# Altium PCB 11BRANMB10H2_20170927.pcbdoc (part 3 of 11)
Units mm, origin at the board's own origin, x right, y up, seen from the top; angles counter-clockwise.
Board outline 91.65 x 48.25 mm, 6 copper layers (TOP, GND1, Singal, POWER, GND2, BOTTOM), stack 0.8 mm thick; 370 components, 289 nets, 1421 pads, 980 vias.
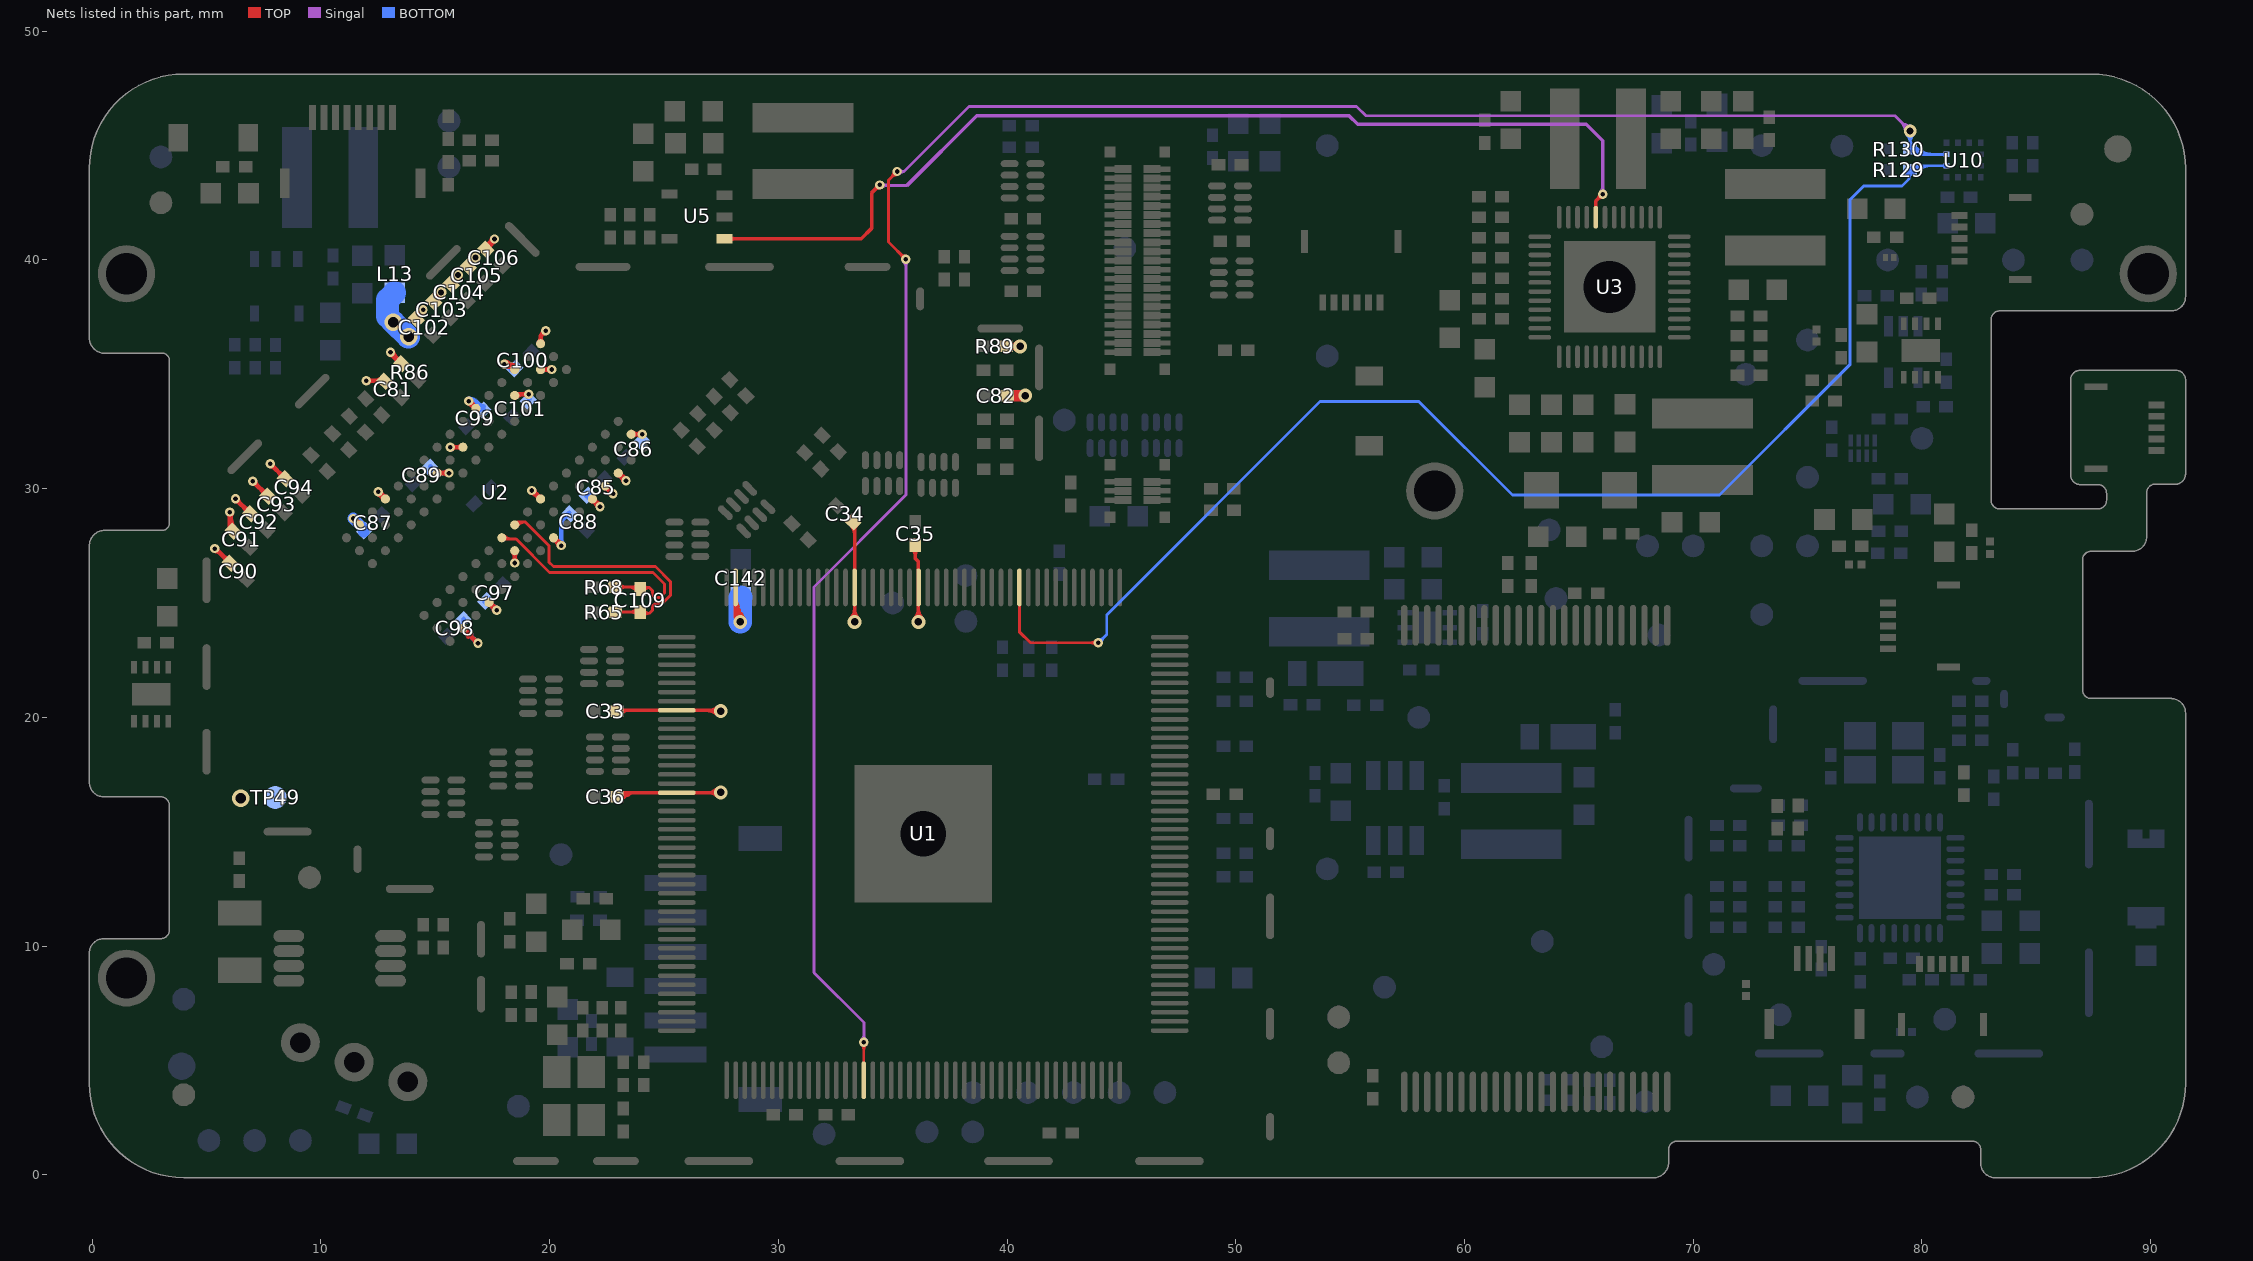
[diagram p7: the nets of this part, all layers, seen from the top]

## Via types
v1: diameter 0.406, hole 0.203, TOP to BOTTOM, tented both sides, 450 vias
v2: diameter 0.457, hole 0.254, TOP to BOTTOM, tented both sides, 256 vias
v3: diameter 0.559, hole 0.305, TOP to BOTTOM, tented both sides, 184 vias
v4: diameter 0.762, hole 0.457, TOP to BOTTOM, tented both sides, 69 vias
v5: diameter 0.61, hole 0.33, TOP to BOTTOM, tented both sides, 11 vias
v6: diameter 0.5, hole 0.2, TOP to BOTTOM, 9 vias
v7: diameter 0.508, hole 0.254, TOP to BOTTOM, tented both sides, 1 vias

## Nets (pads, with @x,y where several pads share a name; then routed paths per layer and width w, separated by ;. In a path a pad name is that pad's centre, name@x,y a point inside that pad or via, vN(x,y) a via of type N, cw(c..) or ccw(c..) an arc to the next point about the centre after c; other vN are vias at no path point) (continued)
DRAM-VCC: C33.2 C34.2 C35.2 C36.2 C81.2 C82.1 C85.1 C86.1 C87.1 C88.1 C89.1 C90.1 C91.1 C92.1 C93.1 C94.1 C97.1 C98.1 C99.1 C100.1 C101.1 C102.1 C103.1 C104.1 C105.1 C106.1 C142.2 L13.1 R86.2 R89.2 TP49.1 U1.23 U1.30 U1.43 U1.53 U1.62 U2.A1 U2.A8 U2.B2 U2.C1 U2.C9 U2.D2 U2.D9 U2.E9 U2.F1 U2.G7 U2.H2 U2.H9 U2.K2 U2.K8 U2.N1 U2.N9 U2.R1 U2.R9 | length 210.7
  TOP w0.152: v2@15.974,39.327 v2(15.99,39.343) ; C36.2@22.983,16.535 22.983,16.569 23.122,16.708 U1.62@25.56,16.708 v5@27.468,16.708 ; C33.2@22.983,20.274 23.017,20.308 U1.53@25.56,20.308 27.45,20.308 v5(27.481,20.277) ; C36.2@22.987,16.551 ccw(c23.156,16.739) 23.282,16.52 ; C36.2@23.064,16.683 ccw(c23.167,16.849) 23.264,16.68 ccw(c23.388,16.465) C36.2@23.144,16.507 ; C36.2@23.089,16.665 ccw(c23.303,16.903) 23.464,16.625 ; C34.2@33.172,28.391 cw(c32.785,28.005) 33.332,28.005 ; C34.2@33.302,28.507 33.332,28.477 33.332,25.683 33.332,25.68 U1.30@33.335,25.683 v5@33.335,24.179 ; v5(33.332,24.176) v5@33.332,24.179 ; 33.332,28.185 cw(c33.624,28.185) C34.2@33.418,28.391 ; v5@35.965,24.338 ccw(c35.575,24.728) 36.126,24.728 ccw(c36.678,24.728) v5@36.288,24.338 ; C35.2@35.98,27.48 35.98,26.945 36.126,26.798 36.126,25.683 v5@36.126,24.303 ; 35.98,27.07 ccw(c35.56,27.07) 35.857,27.367 cw(c35.56,27.07) 35.98,27.07 ; 35.98,27.07 cw(c36.399,27.07) 36.102,27.367 ccw(c36.399,27.07) 35.98,27.07 ; C36.2@22.988,16.52 cw(c23.441,16.067) 23.441,16.708 ccw(c23.441,16.067) C36.2@22.988,16.52 ; C36.2@23.095,16.413 cw(c23.808,15.699) 23.808,16.708 ccw(c23.808,15.699) C36.2@23.095,16.413 ; C33.2@23.096,20.151 cw(c23.475,19.771) 23.475,20.308 ccw(c23.475,19.771) C33.2@23.096,20.151 ; C33.2@23.096,20.396 ccw(c23.31,20.61) 23.31,20.308 cw(c23.31,20.61) C33.2@23.096,20.396 ; 26.855,20.308 cw(c26.855,19.651) 27.319,20.115 ccw(c26.855,19.651) 26.855,20.308 ; 26.898,16.708 ccw(c26.898,17.304) 27.319,16.883 cw(c26.898,17.304) 26.898,16.708 ; 26.961,16.708 cw(c26.961,16.201) 27.319,16.559 ccw(c26.961,16.201) 26.961,16.708 ; 27.004,20.308 ccw(c27.004,20.754) 27.319,20.439 cw(c27.004,20.754) 27.004,20.308 ; v5@33.171,24.338 ccw(c32.774,24.735) 33.335,24.735 cw(c32.774,24.735) v5@33.171,24.338 ; 33.335,24.722 ccw(c33.878,24.722) 33.494,24.338 cw(c33.878,24.722) 33.335,24.722
  TOP w0.203: v1@5.359,27.28 cw(c5.359,26.946) 5.595,27.182 ; v1(5.359,27.381) 5.396,27.381 C90.1@5.993,26.785 ; C90.1@5.851,26.778 ccw(c5.493,26.778) 5.746,27.031 ccw(c6,27.284) C90.1@6,26.926 ; C91.1@6.036,28.292 ccw(c5.922,28.441) 6.084,28.535 ; C91.1@6.058,28.243 C91.1@6.12,28.182 ; v1@6.058,28.937 v1(6.018,28.977) 6.018,28.283 C91.1@6.162,28.139 ; v1(6.262,29.564) C92.1@6.882,28.944 ; v1(7.024,30.326) C93.1@7.644,29.706 ; v1(7.786,31.088) C94.1@8.406,30.468 ; v1(11.412,28.698) 11.685,28.425 U2.R1@11.685,28.419 ; v1@11.423,28.597 cw(c11.444,28.402) U2.R1@11.613,28.5 ; v1@11.436,28.599 cw(c11.481,28.415) U2.R1@11.615,28.549 ; v1@11.455,28.599 cw(c11.32,28.365) U2.R1@11.588,28.405 ; v1@11.49,28.564 ccw(c11.621,28.695) U2.R1@11.663,28.515 ; v1@11.51,28.67 ccw(c11.677,28.623) U2.R1@11.554,28.5 ; v1@11.512,28.651 ccw(c11.754,28.791) U2.R1@11.703,28.516 ; v1@11.513,28.687 ccw(c11.71,28.666) U2.R1@11.611,28.494 ; v1@11.547,28.614 cw(c11.425,28.493) U2.R1@11.591,28.446 ; v1(11.976,34.715) 12.729,34.715 C81.2@12.749,34.735 ; v1@12.504,29.76 cw(c12.498,29.486) U2.N1@12.735,29.623 ; v1(12.506,29.861) U2.N1@12.816,29.551 ; v1@12.518,29.76 cw(c12.543,29.558) U2.N1@12.725,29.651 ; v1@12.519,29.761 cw(c12.554,29.502) U2.N1@12.738,29.687 ; v1@12.544,29.766 cw(c12.358,29.443) U2.N1@12.721,29.528 ; v1@12.59,29.721 ccw(c12.771,29.902) U2.N1@12.804,29.648 ; v1@12.601,29.823 ccw(c12.924,30.009) U2.N1@12.839,29.646 ; v1@12.607,29.848 ccw(c12.865,29.814) U2.N1@12.681,29.63 ; v1@12.607,29.849 ccw(c12.81,29.824) U2.N1@12.716,29.642 ; v1@12.607,29.863 ccw(c12.881,29.869) U2.N1@12.744,29.632 ; v1@12.646,29.777 cw(c12.465,29.596) U2.N1@12.719,29.563 ; v1(13.04,35.967) 13.486,35.522 R86.2@13.486,35.497 ; v1@13.138,35.994 ccw(c13.714,36.148) R86.2@13.416,35.632 ; v1@13.14,35.947 ccw(c13.335,35.908) 13.235,35.736 ; v1@13.142,35.962 ccw(c13.407,35.949) 13.274,35.719 ; 13.184,35.766 ccw(c13.493,36.075) R86.2@13.493,35.638 ; 13.262,35.688 cw(c13.064,35.49) R86.2@13.344,35.49 ; C102.1@14.121,37.473 v1(14.466,37.819) ; C102.1@14.163,37.559 ccw(c14.163,37.853) v1@14.371,37.645 ; C102.1@14.188,37.539 ccw(c14.01,37.846) v1@14.364,37.825 ; C102.1@14.232,37.606 cw(c14.427,37.494) v1@14.454,37.718 ; C102.1@14.239,37.592 cw(c14.456,37.467) v1@14.463,37.717 ; C102.1@14.268,37.494 cw(c14.494,37.572) v1@14.325,37.741 ; C102.1@14.299,37.609 ccw(c14.223,37.742) v1@14.369,37.788 ; C102.1@14.311,37.418 cw(c14.666,37.437) v1@14.415,37.688 ; C102.1@14.336,37.552 ccw(c14.062,37.71) v1@14.368,37.792 ; C103.1@14.871,38.355 ccw(c14.828,38.7) v2@15.128,38.524 ; C103.1@14.883,38.215 v2(15.253,38.581) ; C103.1@14.928,38.321 ccw(c14.935,38.653) 15.169,38.416 ccw(c15.396,38.187) C103.1@15.073,38.177 ; C103.1@14.967,38.302 ccw(c14.812,38.575) v2@15.126,38.579 ; C103.1@14.999,38.339 cw(c15.205,38.218) v2@15.236,38.455 ; C103.1@15,38.398 cw(c15.163,38.233) v2@15.221,38.458 ; C103.1@15.004,38.343 cw(c15.189,38.255) v2@15.229,38.456 ; C103.1@15.026,38.336 ccw(c14.944,38.508) v2@15.129,38.552 ; C103.1@15.03,38.255 cw(c15.242,38.327) v2@15.085,38.486 ; C103.1@15.033,38.245 cw(c15.229,38.296) 15.054,38.398 ; C103.1@15.073,38.182 cw(c15.387,38.203) v2@15.231,38.477 ; U2.K2@15.079,30.682 v1(15.597,30.682) ; C103.1@15.094,38.289 ccw(c14.799,38.462) v2@15.13,38.549 ; 15.115,38.362 ccw(c15.019,38.459) v2@15.14,38.522 ; 15.12,38.333 cw(c15.354,38.196) v2@15.285,38.458 ; U2.K2@15.144,30.608 cw(c15.321,30.406) v1@15.429,30.652 ; U2.K2@15.144,30.756 ccw(c15.321,30.958) v1@15.429,30.712 ; v1(15.649,31.809) U2.H2@16.21,31.814 ; U2.R9@16.21,23.894 v1(16.864,23.241) ; U2.R9@16.215,23.796 cw(c16.232,23.472) 16.461,23.701 ; U2.R9@16.241,23.805 cw(c16.02,23.422) 16.449,23.532 ; U2.R9@16.299,23.863 ccw(c16.683,24.085) 16.572,23.656 ; U2.R9@16.309,23.889 ccw(c16.632,23.872) 16.403,23.643 ; 16.348,23.744 cw(c16.249,23.574) 16.446,23.563 ; 16.361,23.757 ccw(c16.531,23.855) 16.541,23.659 ; C105.1@16.39,39.878 ccw(c16.336,40.204) v2@16.622,40.039 ; C105.1@16.407,39.739 16.407,39.759 v2(16.752,40.105) ; 16.445,23.558 ccw(c16.2,23.558) 16.374,23.731 ccw(c16.547,23.904) 16.547,23.659 ; C105.1@16.449,39.845 ccw(c16.449,40.161) v2@16.673,39.937 ; v1@16.452,33.728 cw(c16.437,33.433) U2.F1@16.694,33.581 ; v1(16.457,33.83) U2.F1@16.776,33.511 ; v1@16.468,33.729 cw(c16.491,33.513) U2.F1@16.683,33.615 ; C105.1@16.478,39.825 ccw(c16.331,40.08) v2@16.625,40.097 ; C105.1@16.501,39.918 cw(c16.669,39.75) v2@16.723,39.981 ; C105.1@16.51,39.872 cw(c16.7,39.762) v2@16.733,39.979 ; v1@16.542,33.688 ccw(c16.738,33.884) U2.F1@16.766,33.608 ; C105.1@16.548,39.795 cw(c16.711,39.872) v2@16.583,39.999 ; C105.1@16.557,39.77 cw(c16.814,39.839) v2@16.584,39.972 ; v1@16.558,33.819 ccw(c16.774,33.796) U2.F1@16.672,33.604 ; v1@16.559,33.835 ccw(c16.854,33.85) U2.F1@16.706,33.593 ; C105.1@16.562,39.732 cw(c16.857,39.733) v2@16.71,39.989 ; C105.1@16.597,39.711 cw(c16.886,39.739) v2@16.68,39.945 ; v1@16.599,33.745 cw(c16.403,33.549) U2.F1@16.678,33.521 ; C105.1@16.602,39.881 ccw(c16.49,39.992) v2@16.635,40.055 ; C105.1@16.61,39.824 ccw(c16.363,39.966) v2@16.632,40.062 ; 16.636,39.868 cw(c16.848,39.746) v2@16.785,39.982 ; 16.69,23.415 ccw(c16.864,23.59) v1@16.864,23.343 ; 16.691,23.413 cw(c16.519,23.241) v1@16.763,23.241 ; C106.1@17.169,40.501 v1(17.59,40.917) ; C106.1@17.212,40.607 ccw(c17.213,40.913) 17.429,40.695 ; C106.1@17.314,40.607 cw(c17.696,40.384) v1@17.61,40.818 ; C106.1@17.324,40.505 cw(c17.734,40.538) v1@17.444,40.831 ; 17.34,40.685 cw(c17.57,40.551) v1@17.584,40.816 ; U2.N9@17.342,25.025 v1(17.683,24.684) ; U2.N9@17.345,24.927 cw(c17.358,24.589) v1@17.597,24.828 ; C106.1@17.359,40.457 cw(c17.769,40.455) v1@17.481,40.746 ; 17.371,40.68 ccw(c17.255,40.884) v1@17.489,40.907 ; U2.N9@17.405,24.939 cw(c17.224,24.627) v1@17.583,24.671 ; U2.N9@17.428,24.962 ccw(c17.741,25.143) v1@17.696,24.785 ; U2.N9@17.439,24.913 ccw(c17.661,25.04) v1@17.677,24.785 ; U2.N9@17.44,25.022 ccw(c17.778,25.009) v1@17.539,24.77 ; 17.45,40.693 cw(c17.685,40.556) v1@17.616,40.819 ; U2.N9@17.454,24.928 cw(c17.327,24.706) v1@17.582,24.69 ; 17.469,40.726 ccw(c17.28,40.836) v1@17.492,40.892 ; U2.C1@18.378,35.182 ccw(c18.149,35.121) 18.268,35.326 ccw(c18.386,35.532) U2.C1@18.448,35.303 ; v1(18.473,26.75) U2.K8@18.473,27.288 ; U2.D2@18.473,34.076 18.524,34.127 v1(19.09,34.127) ; v1@19.196,29.82 cw(c19.102,29.342) U2.G7@19.524,29.585 ; v1(19.216,29.919) 19.584,29.551 U2.G7@19.604,29.551 ; v1@19.22,29.818 cw(c19.231,29.546) U2.G7@19.466,29.682 ; v1@19.238,29.82 cw(c19.278,29.638) 19.439,29.731 ; 19.41,29.781 cw(c19.18,29.551) U2.G7@19.506,29.551 ; U2.B2@19.604,35.207 v1(20.092,35.212) ; U2.A1@19.605,36.339 19.605,36.684 v1(19.825,36.904) ; U2.B2@19.678,35.273 ccw(c19.819,35.396) 19.869,35.216 ; U2.B2@19.682,35.146 cw(c19.817,35.04) 19.86,35.206 ; U2.H9@20.17,27.854 v1(20.512,27.512) ; U2.H9@20.174,27.756 cw(c20.187,27.418) v1@20.426,27.657 ; U2.H9@20.233,27.768 cw(c20.053,27.456) v1@20.411,27.5 ; U2.H9@20.256,27.791 ccw(c20.569,27.971) v1@20.524,27.613 ; U2.H9@20.267,27.742 ccw(c20.489,27.869) v1@20.505,27.614 ; U2.H9@20.269,27.85 ccw(c20.607,27.837) v1@20.367,27.598 ; U2.H9@20.282,27.757 cw(c20.155,27.535) v1@20.41,27.519 ; U2.E9@21.867,29.551 v1(22.205,29.214) ; U2.E9@21.872,29.453 cw(c21.888,29.127) v1@22.119,29.357 ; U2.E9@21.932,29.465 cw(c21.758,29.164) v1@22.104,29.202 ; U2.E9@21.953,29.486 ccw(c22.254,29.66) v1@22.216,29.315 ; U2.E9@21.964,29.44 ccw(c22.179,29.562) v1@22.197,29.315 ; U2.E9@21.966,29.546 ccw(c22.291,29.53) v1@22.061,29.299 ; U2.E9@21.978,29.454 cw(c21.856,29.239) v1@22.103,29.221 ; U2.D9@22.433,30.117 v1(22.774,29.775) ; U2.D9@22.437,30.018 cw(c22.449,29.68) v1@22.689,29.919 ; U2.D9@22.496,30.031 cw(c22.316,29.718) v1@22.673,29.762 ; U2.D9@22.519,30.054 ccw(c22.832,30.234) v1@22.787,29.876 ; U2.D9@22.53,30.005 ccw(c22.752,30.131) v1@22.768,29.876 ; U2.D9@22.531,30.113 ccw(c22.869,30.1) v1@22.63,29.861 ; U2.D9@22.545,30.02 cw(c22.418,29.798) v1@22.673,29.781 ; U2.C9@22.999,30.682 v1(23.34,30.341) ; U2.C9@23.002,30.584 cw(c23.015,30.246) v1@23.254,30.485 ; U2.C9@23.062,30.596 cw(c22.881,30.283) v1@23.239,30.328 ; U2.C9@23.085,30.619 ccw(c23.397,30.8) v1@23.353,30.441 ; U2.C9@23.096,30.57 ccw(c23.318,30.697) v1@23.334,30.442 ; U2.C9@23.097,30.679 ccw(c23.435,30.666) v1@23.196,30.427 ; U2.C9@23.111,30.585 cw(c22.984,30.363) v1@23.239,30.347 ; U2.A8@23.565,32.379 v1(24.052,32.379) ; U2.A8@23.64,32.316 cw(c23.778,32.201) 23.825,32.374 ; U2.A8@23.64,32.442 ccw(c23.778,32.558) 23.825,32.384 ; U1.43@28.136,24.959 cw(c28.054,24.818) 28.212,24.86 ; U1.43@28.135,25.683 28.135,24.375 v5(28.334,24.176) ; v5@28.158,24.278 ccw(c27.983,24.38) 28.158,24.481 ccw(c28.334,24.582) v5@28.334,24.38 ; v5@28.184,24.314 ccw(c27.913,24.562) 28.232,24.746 ; 28.37,24.506 cw(c28.127,24.366) v5(28.334,24.176) ; R89.2@40.018,36.227 40.573,36.227 v5@40.738,36.227 ; R89.2@40.077,36.227 cw(c40.077,35.729) v5@40.429,36.081 ; R89.2@40.088,36.227 ccw(c40.088,36.71) v5@40.429,36.369 ; R89.2@40.112,36.122 cw(c40.366,35.869) 40.366,36.227 cw(c40.366,36.586) R89.2@40.112,36.332 ; 6.018,28.732 ccw(c5.773,28.732) 5.946,28.905 cw(c5.773,28.732) 6.018,28.732 ; 6.018,28.732 cw(c6.263,28.732) 6.09,28.905 ccw(c6.263,28.732) 6.018,28.732 ; 6.065,28.618 cw(c6.458,28.723) v1@6.106,28.926 ; 6.065,28.618 cw(c6.458,28.723) v1@6.106,28.926 ; 6.065,28.618 cw(c6.458,28.723) v1@6.106,28.926 ; 6.435,29.39 ccw(c6.262,29.217) 6.262,29.462 cw(c6.262,29.217) 6.435,29.39 ; 6.435,29.39 cw(c6.608,29.564) 6.363,29.564 ccw(c6.608,29.564) 6.435,29.39 ; 6.635,29.19 ccw(c6.889,29.443) 6.889,29.085 cw(c6.889,29.443) 6.635,29.19 ; 6.635,29.19 cw(c6.382,28.937) 6.74,28.937 ccw(c6.382,28.937) 6.635,29.19 ; 7.197,30.152 ccw(c7.024,29.979) 7.024,30.224 cw(c7.024,29.979) 7.197,30.152 ; 7.197,30.152 cw(c7.37,30.326) 7.125,30.326 ccw(c7.37,30.326) 7.197,30.152 ; 7.397,29.952 ccw(c7.651,30.205) 7.651,29.847 cw(c7.651,30.205) 7.397,29.952 ; 7.397,29.952 cw(c7.144,29.699) 7.502,29.699 ccw(c7.144,29.699) 7.397,29.952 ; 7.959,30.914 ccw(c7.786,30.741) 7.786,30.986 cw(c7.786,30.741) 7.959,30.914 ; 7.959,30.914 cw(c8.132,31.088) 7.887,31.088 ccw(c8.132,31.088) 7.959,30.914 ; 8.159,30.714 ccw(c8.413,30.967) 8.413,30.609 cw(c8.413,30.967) 8.159,30.714 ; 8.159,30.714 cw(c7.906,30.461) 8.264,30.461 ccw(c7.906,30.461) 8.159,30.714 ; v1@11.397,28.597 cw(c11.356,28.331) U2.R1@11.589,28.466 ; v1@11.397,28.597 cw(c11.356,28.331) U2.R1@11.589,28.466 ; v1@11.397,28.597 cw(c11.356,28.331) U2.R1@11.589,28.466 ; v1@11.513,28.712 ccw(c11.786,28.752) U2.R1@11.648,28.513 ; v1@11.513,28.712 ccw(c11.786,28.752) U2.R1@11.648,28.513 ; v1@11.513,28.712 ccw(c11.786,28.752) U2.R1@11.648,28.513 ; U2.R1@11.586,28.524 ccw(c11.412,28.351) 11.412,28.596 cw(c11.412,28.351) U2.R1@11.586,28.524 ; U2.R1@11.586,28.524 cw(c11.759,28.698) 11.514,28.698 ccw(c11.759,28.698) U2.R1@11.586,28.524 ; 12.221,34.715 ccw(c12.221,34.47) 12.048,34.643 cw(c12.221,34.47) 12.221,34.715 ; 12.221,34.715 cw(c12.221,34.96) 12.048,34.787 ccw(c12.221,34.96) 12.221,34.715 ; v1@12.484,29.762 cw(c12.406,29.402) U2.N1@12.725,29.586 ; v1@12.484,29.762 cw(c12.406,29.402) U2.N1@12.725,29.586 ; v1@12.484,29.762 cw(c12.406,29.402) U2.N1@12.725,29.586 ; v1@12.605,29.883 ccw(c12.966,29.962) U2.N1@12.781,29.642 ; v1@12.605,29.883 ccw(c12.966,29.962) U2.N1@12.781,29.642 ; v1@12.605,29.883 ccw(c12.966,29.962) U2.N1@12.781,29.642 ; v1@12.648,29.719 ccw(c12.816,29.887) 12.816,29.649 cw(c12.816,29.887) v1@12.648,29.719 ; v1@12.648,29.719 cw(c12.48,29.551) 12.718,29.551 ccw(c12.48,29.551) v1@12.648,29.719 ; U2.N1@12.679,29.688 ccw(c12.506,29.514) 12.506,29.76 cw(c12.506,29.514) U2.N1@12.679,29.688 ; U2.N1@12.679,29.688 cw(c12.853,29.861) 12.607,29.861 ccw(c12.853,29.861) U2.N1@12.679,29.688 ; v1@13.014,35.869 cw(c12.892,35.414) R86.2@13.3,35.65 ; v1@13.014,35.869 cw(c12.892,35.414) R86.2@13.3,35.65 ; v1@13.014,35.869 cw(c12.892,35.414) R86.2@13.3,35.65 ; v1@13.042,35.866 cw(c13.045,35.641) 13.24,35.753 ; v1@13.042,35.866 cw(c13.045,35.641) 13.24,35.753 ; v1@13.042,35.866 cw(c13.045,35.641) 13.24,35.753 ; 13.214,35.794 ccw(c13.04,35.621) 13.04,35.866 cw(c13.04,35.621) 13.214,35.794 ; 13.214,35.794 cw(c13.387,35.967) 13.142,35.967 ccw(c13.387,35.967) 13.214,35.794 ; R86.2@13.344,35.49 ccw(c12.925,35.49) 13.221,35.786 cw(c12.925,35.49) R86.2@13.344,35.49 ; R86.2@13.493,35.638 cw(c13.493,35.935) 13.283,35.725 ccw(c13.493,35.935) R86.2@13.493,35.638 ; C102.1@14.172,37.588 ccw(c13.963,37.95) v1@14.367,37.844 ; C102.1@14.172,37.588 ccw(c13.963,37.95) v1@14.367,37.844 ; C102.1@14.172,37.588 ccw(c13.963,37.95) v1@14.367,37.844 ; 14.292,37.645 ccw(c14.119,37.819) 14.364,37.819 cw(c14.119,37.819) 14.292,37.645 ; 14.292,37.645 cw(c14.466,37.472) 14.466,37.717 ccw(c14.466,37.472) 14.292,37.645 ; 14.295,37.659 ccw(c14.223,37.783) v1@14.365,37.804 ; 14.295,37.659 ccw(c14.223,37.783) v1@14.365,37.804 ; 14.295,37.659 ccw(c14.223,37.783) v1@14.365,37.804 ; C102.1@14.298,37.571 cw(c14.575,37.411) v1@14.492,37.72 ; C102.1@14.298,37.571 cw(c14.575,37.411) v1@14.492,37.72 ; C102.1@14.298,37.571 cw(c14.575,37.411) v1@14.492,37.72 ; C103.1@14.95,38.352 ccw(c14.769,38.67) v2@15.128,38.604 ; C103.1@14.95,38.352 ccw(c14.769,38.67) v2@15.128,38.604 ; C103.1@14.95,38.352 ccw(c14.769,38.67) v2@15.128,38.604 ; C103.1@15.035,38.365 ccw(c14.82,38.583) 15.126,38.581 cw(c14.82,38.583) C103.1@15.035,38.365 ; C103.1@15.035,38.365 cw(c15.25,38.147) 15.252,38.454 ccw(c15.25,38.147) C103.1@15.035,38.365 ; C103.1@15.042,38.291 cw(c15.34,38.116) v2@15.276,38.456 ; C103.1@15.042,38.291 cw(c15.34,38.116) v2@15.276,38.456 ; C103.1@15.042,38.291 cw(c15.34,38.116) v2@15.276,38.456 ; 15.317,30.682 ccw(c15.317,30.445) 15.149,30.613 cw(c15.317,30.445) 15.317,30.682 ; 15.317,30.682 cw(c15.317,30.92) 15.149,30.752 ccw(c15.317,30.92) 15.317,30.682 ; 15.351,30.682 ccw(c15.351,30.928) 15.525,30.754 cw(c15.351,30.928) 15.351,30.682 ; 15.351,30.682 cw(c15.351,30.437) 15.525,30.61 ccw(c15.351,30.437) 15.351,30.682 ; 15.894,31.811 ccw(c15.896,31.566) 15.721,31.738 cw(c15.896,31.566) 15.894,31.811 ; 15.894,31.811 cw(c15.892,32.056) 15.72,31.882 ccw(c15.892,32.056) 15.894,31.811 ; 15.973,31.812 ccw(c15.971,32.049) 16.14,31.883 cw(c15.971,32.049) 15.973,31.812 ; 15.973,31.812 cw(c15.975,31.574) 16.141,31.743 ccw(c15.975,31.574) 15.973,31.812 ; 16.378,23.726 ccw(c16.21,23.558) 16.21,23.796 cw(c16.21,23.558) 16.378,23.726 ; 16.378,23.726 cw(c16.546,23.894) 16.309,23.894 ccw(c16.546,23.894) 16.378,23.726 ; v1@16.434,33.731 cw(c16.346,33.348) U2.F1@16.686,33.544 ; v1@16.434,33.731 cw(c16.346,33.348) U2.F1@16.686,33.544 ; v1@16.434,33.731 cw(c16.346,33.348) U2.F1@16.686,33.544 ; C105.1@16.458,39.874 ccw(c16.287,40.171) v2@16.626,40.123 ; C105.1@16.458,39.874 ccw(c16.287,40.171) v2@16.626,40.123 ; C105.1@16.458,39.874 ccw(c16.287,40.171) v2@16.626,40.123 ; v1@16.469,33.729 cw(c16.488,33.572) 16.624,33.651 ; v1@16.469,33.729 cw(c16.488,33.572) 16.624,33.651 ; v1@16.469,33.729 cw(c16.488,33.572) 16.624,33.651 ; C105.1@16.535,39.888 ccw(c16.318,40.105) 16.625,40.105 cw(c16.318,40.105) C105.1@16.535,39.888 ; C105.1@16.535,39.888 cw(c16.752,39.671) 16.752,39.978 ccw(c16.752,39.671) C105.1@16.535,39.888 ; v1@16.556,33.853 ccw(c16.939,33.942) U2.F1@16.743,33.601 ; v1@16.556,33.853 ccw(c16.939,33.942) U2.F1@16.743,33.601 ; v1@16.556,33.853 ccw(c16.939,33.942) U2.F1@16.743,33.601 ; v1@16.558,33.818 ccw(c16.715,33.799) 16.636,33.662 ; v1@16.558,33.818 ccw(c16.715,33.799) 16.636,33.662 ; v1@16.558,33.818 ccw(c16.715,33.799) 16.636,33.662 ; C105.1@16.571,39.835 cw(c16.83,39.685) v2@16.775,39.98 ; C105.1@16.571,39.835 cw(c16.83,39.685) v2@16.775,39.98 ; C105.1@16.571,39.835 cw(c16.83,39.685) v2@16.775,39.98 ; 16.606,39.896 ccw(c16.405,40.012) v2@16.629,40.072 ; 16.606,39.896 ccw(c16.405,40.012) v2@16.629,40.072 ; 16.606,39.896 ccw(c16.405,40.012) v2@16.629,40.072 ; 16.608,33.678 ccw(c16.776,33.847) 16.776,33.609 cw(c16.776,33.847) 16.608,33.678 ; 16.608,33.678 cw(c16.44,33.51) 16.678,33.51 ccw(c16.44,33.51) 16.608,33.678 ; 16.631,33.656 ccw(c16.457,33.483) 16.457,33.728 cw(c16.457,33.483) 16.631,33.656 ; 16.631,33.656 cw(c16.804,33.83) 16.559,33.83 ccw(c16.804,33.83) 16.631,33.656 ; C106.1@17.27,40.658 ccw(c17.035,41.069) v1@17.492,40.944 ; C106.1@17.27,40.658 ccw(c17.035,41.069) v1@17.492,40.944 ; C106.1@17.27,40.658 ccw(c17.035,41.069) v1@17.492,40.944 ; C106.1@17.353,40.62 cw(c17.725,40.402) v1@17.616,40.819 ; C106.1@17.353,40.62 cw(c17.725,40.402) v1@17.616,40.819 ; C106.1@17.353,40.62 cw(c17.725,40.402) v1@17.616,40.819 ; U2.N9@17.372,24.937 cw(c17.143,24.541) v1@17.585,24.658 ; U2.N9@17.372,24.937 cw(c17.143,24.541) v1@17.585,24.658 ; U2.N9@17.372,24.937 cw(c17.143,24.541) v1@17.585,24.658 ; 17.372,40.716 ccw(c17.257,40.917) v1@17.488,40.917 ; 17.372,40.716 ccw(c17.257,40.917) v1@17.488,40.917 ; 17.372,40.716 ccw(c17.257,40.917) v1@17.488,40.917 ; 17.416,40.745 ccw(c17.243,40.919) 17.488,40.918 cw(c17.243,40.919) 17.416,40.745 ; 17.416,40.745 cw(c17.588,40.571) 17.589,40.816 ccw(c17.588,40.571) 17.416,40.745 ; 17.425,40.743 cw(c17.556,40.667) v1@17.576,40.817 ; 17.425,40.743 cw(c17.556,40.667) v1@17.576,40.817 ; 17.425,40.743 cw(c17.556,40.667) v1@17.576,40.817 ; U2.N9@17.43,24.996 ccw(c17.826,25.224) v1@17.709,24.782 ; U2.N9@17.43,24.996 ccw(c17.826,25.224) v1@17.709,24.782 ; U2.N9@17.43,24.996 ccw(c17.826,25.224) v1@17.709,24.782 ; 17.478,24.876 cw(c17.374,24.696) v1@17.582,24.688 ; 17.478,24.876 cw(c17.374,24.696) v1@17.582,24.688 ; 17.478,24.876 cw(c17.374,24.696) v1@17.582,24.688 ; 17.491,24.889 ccw(c17.672,24.993) v1@17.68,24.785 ; 17.491,24.889 ccw(c17.672,24.993) v1@17.68,24.785 ; 17.491,24.889 ccw(c17.672,24.993) v1@17.68,24.785 ; 17.51,24.857 ccw(c17.342,24.689) 17.342,24.927 cw(c17.342,24.689) 17.51,24.857 ; 17.51,24.857 cw(c17.678,25.025) 17.44,25.025 ccw(c17.678,25.025) 17.51,24.857 ; 17.51,24.857 ccw(c17.683,25.031) 17.683,24.785 cw(c17.683,25.031) 17.51,24.857 ; 17.51,24.857 cw(c17.337,24.684) 17.582,24.684 ccw(c17.337,24.684) 17.51,24.857 ; v1@18.06,35.349 cw(c18.173,35.153) 18.231,35.371 ; v1@18.06,35.349 cw(c18.173,35.153) 18.231,35.371 ; v1@18.06,35.349 cw(c18.173,35.153) 18.231,35.371 ; v1@18.098,35.486 ccw(c18.319,35.61) 18.253,35.366 ; v1@18.098,35.486 ccw(c18.319,35.61) 18.253,35.366 ; v1@18.098,35.486 ccw(c18.319,35.61) 18.253,35.366 ; v1@18.104,35.406 cw(c18.104,35.125) 18.377,35.186 ccw(c18.104,35.125) v1@18.104,35.406 ; v1@18.104,35.406 18.275,35.406 ; v1@18.104,35.406 v1(18.009,35.437) 18.073,35.437 v1@18.104,35.406 ; 18.275,35.406 cw(c18.275,35.637) 18.091,35.498 ccw(c18.275,35.637) 18.275,35.406 ; 18.275,35.406 U2.C1@18.473,35.207 ; 18.305,35.376 ccw(c18.473,35.544) 18.473,35.306 cw(c18.473,35.544) 18.305,35.376 ; 18.305,35.376 cw(c18.137,35.207) 18.375,35.207 ccw(c18.137,35.207) 18.305,35.376 ; 18.473,26.995 ccw(c18.719,26.995) 18.545,26.822 cw(c18.719,26.995) 18.473,26.995 ; 18.473,26.995 cw(c18.228,26.995) 18.401,26.822 ccw(c18.228,26.995) 18.473,26.995 ; 18.473,27.05 ccw(c18.236,27.05) 18.404,27.218 cw(c18.236,27.05) 18.473,27.05 ; 18.473,27.05 cw(c18.711,27.05) 18.543,27.218 ccw(c18.711,27.05) 18.473,27.05 ; U2.C1@18.473,35.207 ccw(c18.133,34.867) 18.031,35.338 cw(c18.133,34.867) U2.C1@18.473,35.207 ; 18.844,34.127 ccw(c18.844,34.372) 19.018,34.199 cw(c18.844,34.372) 18.844,34.127 ; 18.844,34.127 cw(c18.844,33.882) 19.018,34.055 ccw(c18.844,33.882) 18.844,34.127 ; v1@19.314,29.946 ccw(c19.775,30.069) U2.G7@19.536,29.655 ; v1@19.314,29.946 ccw(c19.775,30.069) U2.G7@19.536,29.655 ; v1@19.314,29.946 ccw(c19.775,30.069) U2.G7@19.536,29.655 ; v1@19.317,29.919 ccw(c19.562,29.919) 19.389,29.746 ; v1@19.317,29.919 ccw(c19.554,29.919) 19.436,29.713 ; v1@19.317,29.919 ccw(c19.554,29.919) 19.436,29.713 ; v1@19.317,29.919 ccw(c19.562,29.919) 19.389,29.746 ; v1@19.317,29.919 ccw(c19.554,29.919) 19.436,29.713 ; 19.389,29.746 ccw(c19.216,29.572) 19.216,29.818 cw(c19.216,29.572) 19.389,29.746 ; U2.G7@19.506,29.551 ccw(c19.317,29.551) 19.451,29.684 cw(c19.317,29.551) U2.G7@19.506,29.551 ; 19.605,36.576 ccw(c19.842,36.576) 19.674,36.408 cw(c19.842,36.576) 19.605,36.576 ; 19.605,36.576 cw(c19.367,36.576) 19.535,36.408 ccw(c19.367,36.576) 19.605,36.576 ; 19.652,36.731 ccw(c19.478,36.904) 19.724,36.904 cw(c19.478,36.904) 19.652,36.731 ; 19.652,36.731 cw(c19.825,36.557) 19.825,36.803 ccw(c19.825,36.557) 19.652,36.731 ; 19.842,35.21 ccw(c19.844,34.972) 19.675,35.139 cw(c19.844,34.972) 19.842,35.21 ; 19.842,35.21 cw(c19.84,35.447) 19.673,35.278 ccw(c19.84,35.447) 19.842,35.21 ; 19.847,35.21 ccw(c19.845,35.455) 20.02,35.283 cw(c19.845,35.455) 19.847,35.21 ; 19.847,35.21 cw(c19.849,34.964) 20.021,35.14 ccw(c19.849,34.964) 19.847,35.21 ; U2.H9@20.2,27.766 cw(c19.971,27.37) v1@20.413,27.486 ; U2.H9@20.2,27.766 cw(c19.971,27.37) v1@20.413,27.486 ; U2.H9@20.2,27.766 cw(c19.971,27.37) v1@20.413,27.486 ; U2.H9@20.258,27.824 ccw(c20.655,28.053) v1@20.538,27.611 ; U2.H9@20.258,27.824 ccw(c20.655,28.053) v1@20.538,27.611 ; U2.H9@20.258,27.824 ccw(c20.655,28.053) v1@20.538,27.611 ; 20.307,27.704 cw(c20.203,27.524) v1@20.41,27.516 ; 20.307,27.704 cw(c20.203,27.524) v1@20.41,27.516 ; 20.307,27.704 cw(c20.203,27.524) v1@20.41,27.516 ; 20.32,27.718 ccw(c20.5,27.822) v1@20.508,27.614 ; 20.32,27.718 ccw(c20.5,27.822) v1@20.508,27.614 ; 20.32,27.718 ccw(c20.5,27.822) v1@20.508,27.614 ; 20.338,27.686 ccw(c20.17,27.518) 20.17,27.756 cw(c20.17,27.518) 20.338,27.686 ; 20.338,27.686 cw(c20.506,27.854) 20.269,27.854 ccw(c20.506,27.854) 20.338,27.686 ; 20.338,27.686 ccw(c20.512,27.859) 20.512,27.614 cw(c20.512,27.859) 20.338,27.686 ; 20.338,27.686 cw(c20.165,27.512) 20.41,27.512 ccw(c20.165,27.512) 20.338,27.686 ; U2.E9@21.898,29.462 cw(c21.675,29.077) v1@22.106,29.188 ; U2.E9@21.898,29.462 cw(c21.675,29.077) v1@22.106,29.188 ; U2.E9@21.898,29.462 cw(c21.675,29.077) v1@22.106,29.188 ; U2.E9@21.956,29.52 ccw(c22.341,29.743) v1@22.23,29.312 ; U2.E9@21.956,29.52 ccw(c22.341,29.743) v1@22.23,29.312 ; U2.E9@21.956,29.52 ccw(c22.341,29.743) v1@22.23,29.312 ; 22.004,29.401 cw(c21.905,29.229) v1@22.103,29.219 ; 22.004,29.401 cw(c21.905,29.229) v1@22.103,29.219 ; 22.004,29.401 cw(c21.905,29.229) v1@22.103,29.219 ; 22.017,29.414 ccw(c22.189,29.513) v1@22.199,29.315 ; 22.017,29.414 ccw(c22.189,29.513) v1@22.199,29.315 ; 22.017,29.414 ccw(c22.189,29.513) v1@22.199,29.315 ; 22.031,29.387 ccw(c22.205,29.56) 22.205,29.315 cw(c22.205,29.56) 22.031,29.387 ; 22.031,29.387 cw(c21.858,29.214) 22.103,29.214 ccw(c21.858,29.214) 22.031,29.387 ; 22.035,29.383 ccw(c21.867,29.215) 21.867,29.452 cw(c21.867,29.215) 22.035,29.383 ; 22.035,29.383 cw(c22.203,29.551) 21.966,29.551 ccw(c22.203,29.551) 22.035,29.383 ; U2.D9@22.463,30.028 cw(c22.234,29.632) v1@22.676,29.749 ; U2.D9@22.463,30.028 cw(c22.234,29.632) v1@22.676,29.749 ; U2.D9@22.463,30.028 cw(c22.234,29.632) v1@22.676,29.749 ; U2.D9@22.521,30.087 ccw(c22.917,30.315) v1@22.8,29.873 ; U2.D9@22.521,30.087 ccw(c22.917,30.315) v1@22.8,29.873 ; U2.D9@22.521,30.087 ccw(c22.917,30.315) v1@22.8,29.873 ; 22.569,29.967 cw(c22.465,29.787) v1@22.673,29.779 ; 22.569,29.967 cw(c22.465,29.787) v1@22.673,29.779 ; 22.569,29.967 cw(c22.465,29.787) v1@22.673,29.779 ; 22.583,29.98 ccw(c22.763,30.084) v1@22.77,29.876 ; 22.583,29.98 ccw(c22.763,30.084) v1@22.77,29.876 ; 22.583,29.98 ccw(c22.763,30.084) v1@22.77,29.876 ; 22.601,29.948 ccw(c22.433,29.781) 22.433,30.018 cw(c22.433,29.781) 22.601,29.948 ; 22.601,29.948 cw(c22.769,30.116) 22.531,30.117 ccw(c22.769,30.116) 22.601,29.948 ; 22.601,29.948 ccw(c22.774,30.122) 22.774,29.877 cw(c22.774,30.122) 22.601,29.948 ; 22.601,29.948 cw(c22.427,29.775) 22.673,29.775 ccw(c22.427,29.775) 22.601,29.948 ; U2.C9@23.028,30.594 cw(c22.799,30.198) v1@23.242,30.315 ; U2.C9@23.028,30.594 cw(c22.799,30.198) v1@23.242,30.315 ; U2.C9@23.028,30.594 cw(c22.799,30.198) v1@23.242,30.315 ; U2.C9@23.087,30.652 ccw(c23.483,30.881) v1@23.366,30.439 ; U2.C9@23.087,30.652 ccw(c23.483,30.881) v1@23.366,30.439 ; U2.C9@23.087,30.652 ccw(c23.483,30.881) v1@23.366,30.439 ; 23.135,30.533 cw(c23.031,30.352) v1@23.239,30.344 ; 23.135,30.533 cw(c23.031,30.352) v1@23.239,30.344 ; 23.135,30.533 cw(c23.031,30.352) v1@23.239,30.344 ; 23.148,30.546 ccw(c23.328,30.65) v1@23.336,30.442 ; 23.148,30.546 ccw(c23.328,30.65) v1@23.336,30.442 ; 23.148,30.546 ccw(c23.328,30.65) v1@23.336,30.442 ; 23.167,30.514 ccw(c22.999,30.346) 22.999,30.584 cw(c22.999,30.346) 23.167,30.514 ; 23.167,30.514 cw(c23.335,30.682) 23.097,30.682 ccw(c23.335,30.682) 23.167,30.514 ; 23.167,30.514 ccw(c23.34,30.687) 23.34,30.442 cw(c23.34,30.687) 23.167,30.514 ; 23.167,30.514 cw(c22.993,30.341) 23.239,30.341 ccw(c22.993,30.341) 23.167,30.514 ; 23.802,32.379 ccw(c23.802,32.142) 23.634,32.31 cw(c23.802,32.142) 23.802,32.379 ; 23.802,32.379 cw(c23.802,32.617) 23.634,32.449 ccw(c23.802,32.617) 23.802,32.379 ; 23.807,32.379 ccw(c23.807,32.624) 23.98,32.451 cw(c23.807,32.624) 23.807,32.379 ; 23.807,32.379 cw(c23.807,32.134) 23.98,32.307 ccw(c23.807,32.134) 23.807,32.379 ; v5(28.334,24.176) cw(c28.814,24.657) 28.135,24.657 ccw(c28.814,24.657) v5(28.334,24.176) ; v1@6.018,28.795 ccw(c6.747,28.795) 6.232,28.279 cw(c6.747,28.795) v1@6.018,28.795 ; v1@11.513,28.596 cw(c11.336,28.419) 11.587,28.419 ccw(c11.336,28.419) v1@11.513,28.596 ; v1@11.526,28.584 ccw(c11.685,28.743) 11.685,28.518 cw(c11.685,28.743) v1@11.526,28.584 ; 12.368,34.715 ccw(c12.368,35.116) 12.651,34.833 cw(c12.368,35.116) 12.368,34.715 ; C81.2@12.428,34.715 cw(c12.428,34.4) 12.651,34.623 ccw(c12.428,34.4) C81.2@12.428,34.715 ; C102.1@14.128,37.594 ccw(c14.128,37.868) 14.321,37.674 cw(c14.128,37.868) C102.1@14.128,37.594 ; C102.1@14.276,37.446 cw(c14.719,37.446) 14.406,37.759 ccw(c14.719,37.446) C102.1@14.276,37.446 ; C103.1@14.891,38.356 ccw(c14.893,38.68) 15.12,38.449 cw(c14.893,38.68) C103.1@14.891,38.356 ; C103.1@15.038,38.207 cw(c15.43,38.204) 15.155,38.483 ccw(c15.43,38.204) C103.1@15.038,38.207 ; C105.1@16.414,39.88 ccw(c16.414,40.154) 16.607,39.96 cw(c16.414,40.154) C105.1@16.414,39.88 ; C105.1@16.562,39.732 cw(c17.005,39.732) 16.692,40.045 ccw(c17.005,39.732) C105.1@16.562,39.732 ; C106.1@17.176,40.642 ccw(c17.178,40.966) 17.406,40.736 cw(c17.178,40.966) C106.1@17.176,40.642 ; C106.1@17.324,40.493 cw(c17.716,40.491) 17.44,40.77 ccw(c17.716,40.491) C106.1@17.324,40.493 ; v1@17.988,35.536 cw(c18.039,35.3) 18.21,35.471 ccw(c18.039,35.3) v1@17.988,35.536 ; 18.357,35.406 cw(c18.357,35.182) 18.576,35.23 ccw(c18.357,35.182) 18.357,35.406 ; U2.D2@18.543,34.007 cw(c18.833,33.716) 18.833,34.127 ccw(c18.833,33.716) U2.D2@18.543,34.007 ; 19.402,29.733 ccw(c19.604,29.936) 19.604,29.649 cw(c19.604,29.936) 19.402,29.733 ; U1.43@28.135,25.147 ccw(c29.305,25.147) 28.478,24.32 cw(c29.305,25.147) U1.43@28.135,25.147
  TOP w0.254: C104.1@15.623,39.089 ccw(c15.524,39.503) v2@15.892,39.29 ; C104.1@15.645,38.977 15.974,39.306 v2@15.974,39.327 ; C104.1@15.739,39.137 cw(c15.99,38.886) v2@15.99,39.241 ; C104.1@15.752,39.084 cw(c16.027,38.925) v2@15.999,39.241 ; C104.1@15.755,39.102 cw(c15.983,38.984) v2@15.988,39.241 ; C104.1@15.772,38.996 cw(c16.028,39.054) v2@15.842,39.24 ; C104.1@15.774,38.976 cw(c16.09,38.991) v2@15.867,39.214 ; C104.1@15.779,39.063 cw(c16.117,38.867) v2@16.016,39.244 ; C104.1@15.807,39.124 ccw(c15.718,39.278) v2@15.891,39.319 ; C104.1@15.81,38.934 cw(c16.184,38.934) v2@15.919,39.198 ; C104.1@15.863,39.101 ccw(c15.618,39.243) v2@15.892,39.316 ; C104.1@15.683,39.08 ccw(c15.465,39.457) v2@15.89,39.364 ; C104.1@15.683,39.08 ccw(c15.465,39.457) v2@15.89,39.364 ; C104.1@15.683,39.08 ccw(c15.465,39.457) v2@15.89,39.364 ; C104.1@15.799,39.078 cw(c16.109,38.899) v2@16.016,39.244 ; C104.1@15.799,39.078 cw(c16.109,38.899) v2@16.016,39.244 ; C104.1@15.799,39.078 cw(c16.109,38.899) v2@16.016,39.244 ; C104.1@15.801,39.148 ccw(c15.71,39.304) v2@15.889,39.329 ; C104.1@15.801,39.148 ccw(c15.71,39.304) v2@15.889,39.329 ; C104.1@15.801,39.148 ccw(c15.71,39.304) v2@15.889,39.329 ; C104.1@15.652,39.093 ccw(c15.652,39.355) 15.837,39.169 cw(c15.652,39.355) C104.1@15.652,39.093 ; C104.1@15.775,38.97 cw(c16.106,38.97) 15.872,39.204 ccw(c16.106,38.97) C104.1@15.775,38.97 ; C104.1@15.802,39.134 ccw(c15.593,39.343) 15.888,39.343 cw(c15.593,39.343) C104.1@15.802,39.134
  TOP w0.508: C82.1@40.054,34.071 v5(40.794,34.071)
  BOTTOM w0.203: C89.1@14.786,30.975 15.079,30.682 v1(15.597,30.682) ; C98.1@16.242,24.303 16.242,24.261 16.242,23.971 16.187,23.917 v1(16.864,23.241) ; 16.445,23.558 ccw(c16.2,23.558) 16.374,23.731 ccw(c16.547,23.904) 16.547,23.659 ; 16.449,23.584 ccw(c16.212,23.647) 16.424,23.77 ccw(c16.637,23.893) 16.573,23.656 ; v1(16.457,33.83) 16.76,33.83 C99.1@17.124,33.465 ; v1@16.543,33.883 ccw(c17.037,34.188) 16.904,33.624 ; 16.69,23.415 ccw(c16.864,23.59) v1@16.864,23.343 ; 16.691,23.413 cw(c16.519,23.241) v1@16.763,23.241 ; C97.1@17.172,25.048 17.214,25.048 C97.1@17.254,25.048 ; C97.1@17.249,24.977 cw(c17.249,24.638) 17.489,24.878 ; C97.1@17.254,25.048 17.319,25.048 v1(17.683,24.684) ; C97.1@17.358,24.954 cw(c17.114,24.531) v1@17.585,24.657 ; C97.1@17.398,25.126 ccw(c17.775,25.126) 17.508,24.859 ; C97.1@17.428,24.998 ccw(c17.83,25.23) v1@17.71,24.782 ; v1(19.09,34.127) 19.104,34.113 C101.1@19.104,33.896 ; v1(20.512,27.512) 20.512,28.604 C88.1@20.851,28.943 ; C85.1@21.614,29.676 21.656,29.676 21.666,29.676 21.682,29.691 21.705,29.714 v1(22.205,29.214) ; C85.1@21.691,29.605 cw(c21.691,29.311) 21.9,29.519 ; C85.1@21.84,29.753 ccw(c22.262,29.753) 21.963,29.455 ; 15.351,30.682 ccw(c15.351,30.928) 15.525,30.754 cw(c15.351,30.928) 15.351,30.682 ; 15.351,30.682 cw(c15.351,30.437) 15.525,30.61 ccw(c15.351,30.437) 15.351,30.682 ; 16.702,33.83 ccw(c16.702,33.584) 16.529,33.758 cw(c16.702,33.584) 16.702,33.83 ; 16.702,33.83 cw(c16.702,34.075) 16.529,33.901 ccw(c16.702,34.075) 16.702,33.83 ; C99.1@17.124,33.465 ccw(c16.488,32.828) 16.46,33.728 cw(c16.488,32.828) C99.1@17.124,33.465 ; 17.51,24.857 ccw(c17.683,25.031) 17.683,24.785 cw(c17.683,25.031) 17.51,24.857 ; 17.51,24.857 cw(c17.337,24.684) 17.582,24.684 ccw(c17.337,24.684) 17.51,24.857 ; v1(18.009,35.437) cw(c18.009,35.142) 18.3,35.194 ccw(c18.009,35.142) v1(18.009,35.437) ; v1(18.009,35.437) 18.214,35.437 ; 18.214,35.437 ccw(c18.214,35.281) 18.09,35.375 cw(c18.214,35.281) 18.214,35.437 ; 18.214,35.437 cw(c18.214,35.593) 18.09,35.498 ccw(c18.214,35.593) 18.214,35.437 ; 18.214,35.437 C100.1@18.439,35.213 ; C100.1@18.439,35.213 ccw(c18.117,34.891) 18.029,35.337 cw(c18.117,34.891) C100.1@18.439,35.213 ; C101.1@19.104,33.896 ccw(c18.917,33.896) 19.029,34.046 cw(c18.917,33.896) C101.1@19.104,33.896 ; 20.512,27.758 ccw(c20.757,27.758) 20.584,27.584 cw(c20.757,27.758) 20.512,27.758 ; 20.512,27.758 cw(c20.266,27.758) 20.44,27.584 ccw(c20.266,27.758) 20.512,27.758 ; 22.031,29.387 ccw(c22.205,29.56) 22.205,29.315 cw(c22.205,29.56) 22.031,29.387 ; 22.031,29.387 cw(c21.858,29.214) 22.103,29.214 ccw(c21.858,29.214) 22.031,29.387 ; v1@16.454,33.931 cw(c16.468,33.473) 16.792,33.797 ccw(c16.468,33.473) v1@16.454,33.931 ; 16.854,33.735 cw(c16.576,33.458) 16.969,33.458 ccw(c16.576,33.458) 16.854,33.735 ; 16.888,33.701 ccw(c17.117,33.93) 17.117,33.606 cw(c17.117,33.93) 16.888,33.701 ; 18.252,35.437 cw(c18.252,35.185) 18.5,35.229 ccw(c18.252,35.185) 18.252,35.437 ; C101.1@19.104,33.916 cw(c19.301,33.916) 19.161,34.055 ccw(c19.301,33.916) C101.1@19.104,33.916
  BOTTOM w0.508: v1(11.412,28.698) 11.876,28.234 11.876,28.16 C87.1@11.876,28.118
  BOTTOM w1.016: L13.1@13.221,38.563 12.916,38.259 12.916,37.535 13.164,37.286 13.815,36.635 v4(13.83,36.635) ; v5(28.334,24.176) 28.334,25.236 C142.2@28.354,25.256
  other v4: 6.489,16.459 13.153,37.275
  other v5: 27.481,16.721 36.126,24.176 40.573,36.225
DSCK: C109.2 R65.1 U2.J7 | length 13.8
  TOP w0.127: U2.J7@18.473,28.419 18.601,28.548 18.936,28.548 ; U2.J7@18.481,28.415 cw(c18.714,28.278) 18.714,28.548 ; U2.J7@18.591,28.35 cw(c18.936,28.147) 18.936,28.548 ; R65.1@22.915,24.603 23.903,24.604 23.925,24.582 23.955,24.552 24.363,24.552 ; 23.486,24.604 ccw(c23.486,25.08) C109.2@23.823,24.743 ; 23.524,24.604 cw(c23.524,24.18) C109.2@23.823,24.48 ; C109.2@24.091,24.434 cw(c24.363,24.178) 24.363,24.552 ; C109.2@24.101,24.678 ccw(c24.363,24.888) 24.363,24.552 ; 18.936,28.548 19.978,27.506 19.978,26.783 20.168,26.592 24.626,26.592 25.275,25.942 25.275,25.335 24.925,24.985 24.617,24.985 24.49,24.858 24.49,24.679 24.363,24.552
DSCK-N: C109.1 R68.1 U2.K7 | length 13.4
  TOP w0.127: U2.K7@17.908,27.854 17.962,27.8 18.537,27.8 19.999,26.338 24.52,26.338 25.021,25.837 25.021,25.441 24.82,25.239 24.617,25.239 24.49,25.366 24.49,25.545 24.363,25.672 ; U2.K7@18.004,27.757 cw(c18.107,27.654) 18.107,27.8 ; U2.K7@18.004,27.95 ccw(c18.367,28.314) 18.367,27.8 ; R68.1@22.915,25.696 23.931,25.696 23.955,25.672 24.363,25.672 ; R68.1@23.037,25.564 cw(c23.355,25.247) 23.355,25.696 cw(c23.356,26.147) R68.1@23.037,25.828 ; 23.422,25.696 cw(c23.422,25.128) C109.1@23.823,25.53 ; 23.588,25.696 ccw(c23.588,26.029) C109.1@23.823,25.793 ; C109.1@24.091,25.789 ccw(c24.363,26.046) 24.363,25.672 ; C109.1@24.101,25.545 cw(c24.363,25.337) 24.363,25.672
EXTEN: U3.20 U5.1 | length 50.2
  TOP w0.152: U5.1@27.648,40.928 33.625,40.928 34.074,41.377 34.074,42.926 v1(34.429,43.282) ; U3.20@65.743,41.869 65.743,42.578 v1(66.04,42.875) ; 28.097,40.928 ccw(c28.097,40.629) 27.885,40.84 cw(c28.097,40.629) 28.097,40.928 ; 28.097,40.928 cw(c28.097,41.227) 27.885,41.016 ccw(c28.097,41.227) 28.097,40.928 ; 34.212,43.065 ccw(c33.996,43.282) 34.302,43.282 cw(c33.996,43.282) 34.212,43.065 ; 34.212,43.065 cw(c34.429,42.848) 34.429,43.155 ccw(c34.429,42.848) 34.212,43.065 ; 65.823,42.658 ccw(c65.606,42.875) 65.913,42.875 cw(c65.606,42.875) 65.823,42.658 ; 65.823,42.658 cw(c66.04,42.441) 66.04,42.748 ccw(c66.04,42.441) 65.823,42.658
  Singal w0.152: v1@34.455,43.256 35.623,43.256 38.671,46.304 54.952,46.304 55.327,45.929 65.322,45.929 66.04,45.212 v1(66.04,42.875) ; 66.04,43.182 ccw(c66.347,43.182) 66.13,42.965 cw(c66.347,43.182) 66.04,43.182 ; 66.04,43.182 cw(c65.733,43.182) 65.95,42.965 ccw(c65.733,43.182) 66.04,43.182 ; v1@34.519,43.192 cw(c34.674,43.036) 34.674,43.256 ccw(c34.674,43.036) v1@34.519,43.192 ; v1@34.519,43.371 ccw(c34.797,43.65) 34.797,43.256 cw(c34.797,43.65) v1@34.519,43.371
G_INT1: R130.2 U1.104 U10.12 | length 109.4
  TOP w0.127: U1.104@33.735,4.133 v1@33.735,5.795 ; 34.995,43.674 ccw(c34.929,43.919) v1@35.179,43.868 ; 34.999,43.67 cw(c35.245,43.604) v1@35.194,43.853 ; v1(35.191,43.866) 34.81,43.485 34.81,40.792 v1(35.572,40.03) ; 35.376,40.223 cw(c35.31,39.977) v1@35.56,40.028 ; 35.38,40.226 ccw(c35.626,40.292) v1@35.575,40.043 ; 34.953,43.627 ccw(c34.714,43.866) 35.051,43.866 cw(c34.714,43.866) 34.953,43.627 ; 34.953,43.627 cw(c35.191,43.389) 35.191,43.726 ccw(c35.191,43.389) 34.953,43.627 ; 35.334,40.269 ccw(c35.572,40.507) 35.572,40.17 cw(c35.572,40.507) 35.334,40.269 ; 35.334,40.269 cw(c35.095,40.03) 35.432,40.03 ccw(c35.095,40.03) 35.334,40.269 ; v1@33.64,5.7 cw(c33.41,5.47) 33.735,5.47 ccw(c33.41,5.47) v1@33.64,5.7 ; 33.735,5.453 cw(c34.085,5.453) 33.838,5.7 ccw(c34.085,5.453) 33.735,5.453
  Singal w0.127: v1(33.739,5.799) 33.739,6.653 31.554,8.838 31.554,25.7 35.572,29.718 v1(35.572,40.03) ; v1(35.191,43.866) 35.496,43.866 ; 79.216,45.856 ccw(c79.551,45.946) v3@79.481,45.606 ; 79.276,45.917 cw(c79.187,45.582) v3@79.526,45.651 ; v3(79.489,45.644) 78.828,46.304 55.689,46.304 55.283,46.711 38.341,46.711 35.496,43.866 ; 33.739,6.136 ccw(c34.076,6.136) 33.838,5.898 cw(c34.076,6.136) 33.739,6.136 ; 33.739,6.136 cw(c33.402,6.136) 33.64,5.898 ccw(c33.402,6.136) 33.739,6.136 ; 35.496,43.866 ccw(c35.496,43.603) 35.297,43.775 cw(c35.496,43.603) 35.496,43.866 ; 35.496,43.866 cw(c35.496,44.128) 35.297,43.957 ccw(c35.496,44.128) 35.496,43.866 ; 35.572,39.693 ccw(c35.235,39.693) 35.473,39.932 cw(c35.235,39.693) 35.572,39.693 ; 35.572,39.693 cw(c35.909,39.693) 35.671,39.932 ccw(c35.909,39.693) 35.572,39.693 ; 79.12,46.012 ccw(c79.489,46.381) 79.489,45.86 cw(c79.489,46.381) 79.12,46.012 ; 79.12,46.012 cw(c78.752,45.644) 79.273,45.644 ccw(c78.752,45.644) 79.12,46.012
  BOTTOM w0.127: v3@79.481,45.636 R130.2@79.481,44.852 79.714,44.619 U10.12@81.076,44.619 ; R130.2@79.61,44.683 cw(c79.773,44.335) 79.965,44.668 ; R130.2@79.711,44.9 ccw(c79.957,44.966) 79.83,44.746 ; 79.481,45.302 ccw(c79.931,45.302) 79.613,44.984 cw(c79.931,45.302) 79.481,45.302 ; 79.481,45.302 cw(c79.031,45.302) 79.349,44.984 ccw(c79.031,45.302) 79.481,45.302 ; 80.915,44.619 ccw(c80.915,44.768) 81.02,44.663 cw(c80.915,44.768) 80.915,44.619 ; 80.915,44.619 cw(c80.915,44.471) 81.02,44.576 ccw(c80.915,44.471) 80.915,44.619 ; v3@79.336,45.491 cw(c78.986,45.141) 79.481,45.141 ccw(c78.986,45.141) v3@79.336,45.491 ; 79.481,45.104 cw(c80.028,45.104) 79.641,45.491 ccw(c80.028,45.104) 79.481,45.104 ; R130.2@79.483,44.804 ccw(c79.93,45.251) 79.93,44.619 cw(c79.93,45.251) R130.2@79.483,44.804 ; R130.2@79.573,44.894 ccw(c80.237,45.557) 80.237,44.619 cw(c80.237,45.557) R130.2@79.573,44.894 ; R130.2@79.663,44.984 ccw(c80.543,45.864) 80.543,44.619 cw(c80.543,45.864) R130.2@79.663,44.984
G_INT2: R129.2 U1.12 U10.11 | length 67.4
  TOP w0.127: U1.12@40.535,25.683 40.535,23.746 41.019,23.262 v1(43.991,23.262) ; 43.654,23.262 ccw(c43.654,23.599) 43.892,23.361 cw(c43.654,23.599) 43.654,23.262 ; 43.654,23.262 cw(c43.654,22.925) 43.892,23.163 ccw(c43.654,22.925) 43.654,23.262
  BOTTOM w0.127: v1(43.991,23.262) 44.359,23.63 44.359,24.482 53.685,33.807 58.005,33.807 62.094,29.718 71.149,29.718 76.848,35.416 76.848,42.622 77.457,43.231 79.133,43.231 79.438,43.536 ; R129.2@79.643,44.091 ccw(c79.772,44.265) 79.881,44.077 ; R129.2@79.711,43.894 cw(c79.957,43.828) 79.83,44.048 ; U10.11@81.076,44.119 79.658,44.119 R129.2@79.481,43.942 79.438,43.899 79.438,43.536 ; 44.229,23.5 ccw(c44.468,23.262) 44.131,23.262 cw(c44.468,23.262) 44.229,23.5 ; 44.229,23.5 cw(c43.991,23.739) 43.991,23.402 ccw(c43.991,23.739) 44.229,23.5 ; 79.438,43.536 ccw(c79.101,43.536) 79.314,43.797 cw(c79.101,43.536) 79.438,43.536 ; 79.438,43.536 cw(c79.801,43.536) 79.557,43.804 ccw(c79.801,43.536) 79.438,43.536 ; 80.915,44.119 ccw(c80.915,44.268) 81.02,44.163 cw(c80.915,44.268) 80.915,44.119 ; 80.915,44.119 cw(c80.915,43.971) 81.02,44.076 ccw(c80.915,43.971) 80.915,44.119 ; R129.2@79.483,43.99 cw(c79.797,43.677) 79.797,44.119 ccw(c79.797,43.677) R129.2@79.483,43.99 ; R129.2@79.573,43.9 cw(c80.103,43.37) 80.103,44.119 ccw(c80.103,43.37) R129.2@79.573,43.9 ; R129.2@79.663,43.81 cw(c80.41,43.063) 80.41,44.119 ccw(c80.41,43.063) R129.2@79.663,43.81